# Allegro board HI3516ADMEB_VER_C_PCB.brd (continued)
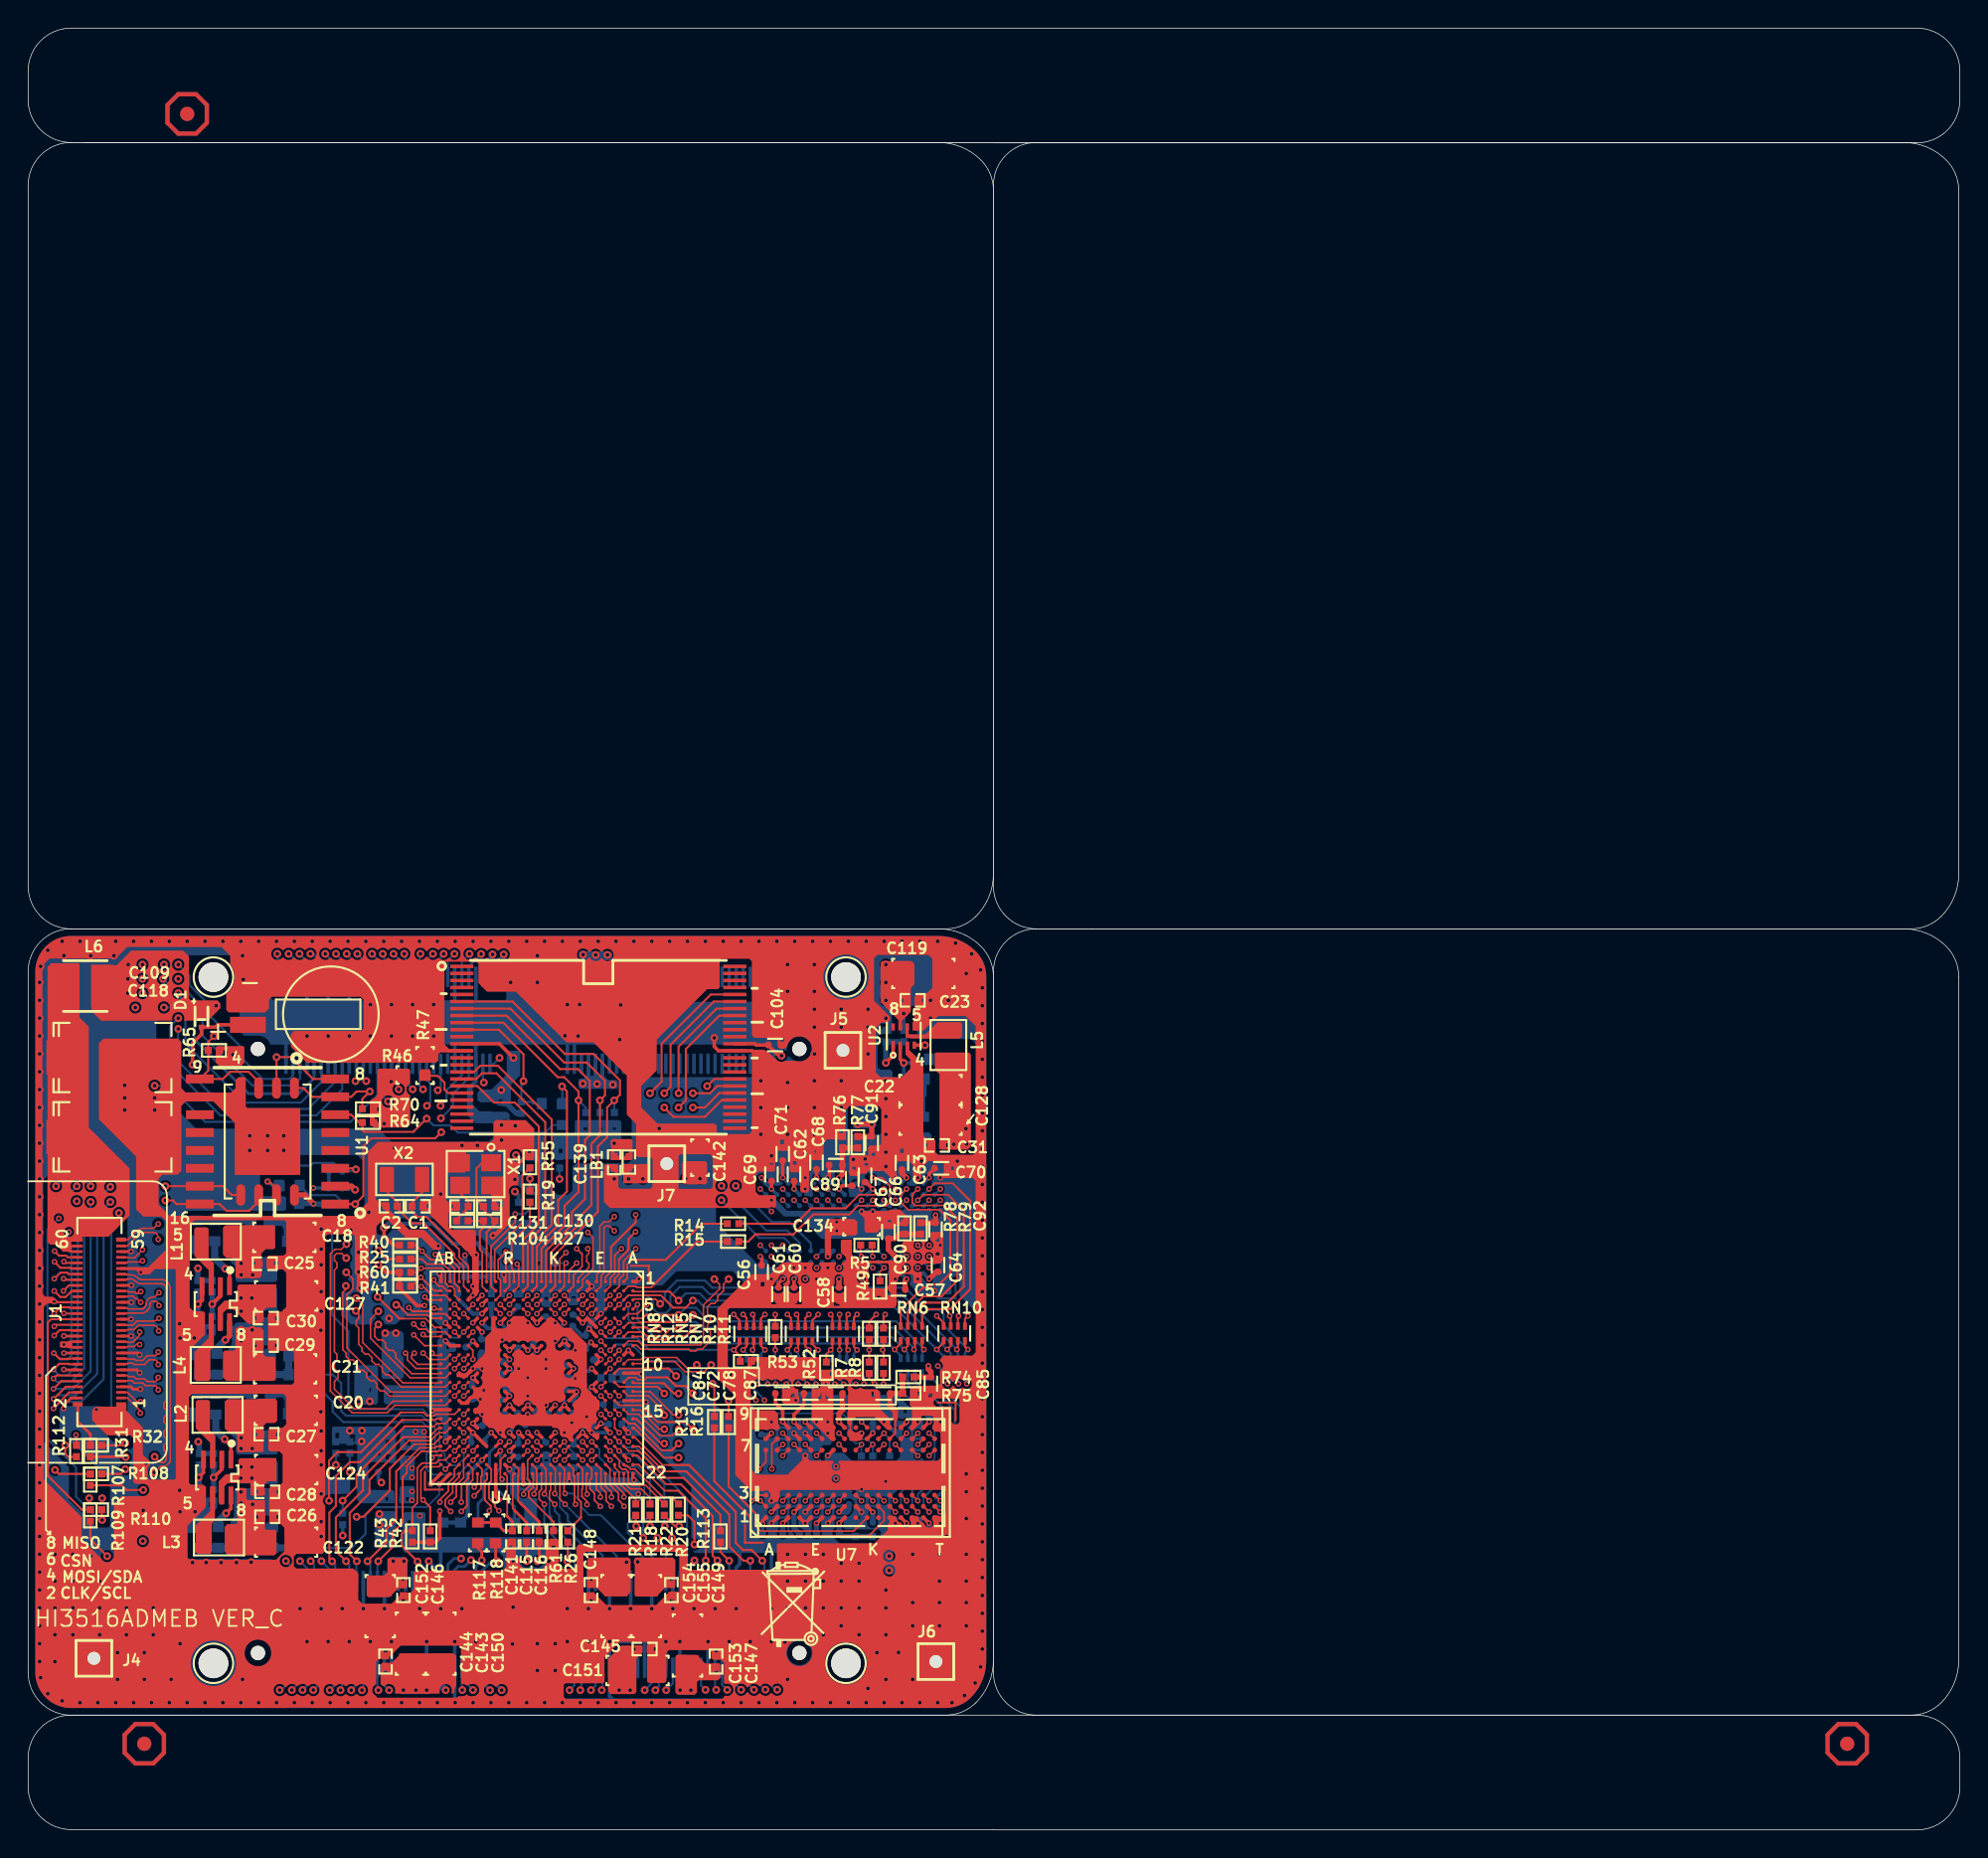
[diagram p0: board, top side]
## Copper pours and planes (outline as drawn; the poured copper is in the pictures) (continued)
3V3 on BOTTOM (solid shape): 41.53,62.28 41.53,61.9 41.43,61.8 41.07,61.8 40.92,61.64 40.92,59.97 40.87,59.92 40.74,59.92 40.72,59.94 40.72,61.44 40.69,61.47 40.46,61.47 40.44,61.44 40.44,59.94 40.41,59.92 40.23,59.92 40.23,61.41 40.18,61.47 39.98,61.47 39.93,61.41 39.93,59.94 39.9,59.92 39.75,59.92 39.7,59.97 39.7,61.67 39.45,61.92 39.24,61.92 39.14,62.02 39.14,62.35 39.22,62.43 41.38,62.43
3V3 on BOTTOM (solid shape): 39.93,55.12 39.93,53.62 39.95,53.59 40.16,53.59 40.21,53.64 40.21,55.12 40.26,55.17 40.41,55.17 40.44,55.14 40.44,53.64 40.49,53.59 40.69,53.59 40.72,53.62 40.72,55.14 40.74,55.17 40.89,55.17 40.92,55.14 40.92,53.59 41.22,53.29 41.81,53.29 41.91,53.19 41.91,52.73 41.83,52.65 39.22,52.65 39.12,52.75 39.12,53.31 39.19,53.39 39.5,53.39 39.7,53.59 39.7,55.06 39.8,55.17 39.88,55.17
3V3 on BOTTOM (solid shape): 42.16,50.31 42.16,47.77 42.04,47.65 37.34,47.65 37.21,47.77 37.21,47.9 37.97,47.9 37.97,48.41 37.72,48.41 37.72,47.9 37.21,47.9 37.21,49.3 37.34,49.43 38.73,49.43 38.86,49.55 38.86,49.73 40.79,49.73 40.79,49.76 41.78,49.76 41.78,50.16 41.55,50.16 41.55,49.76 40.79,49.76 40.79,50.14 40.54,50.14 40.54,49.73 39.75,49.73 39.75,50.14 39.47,50.14 39.47,49.73 38.86,49.73 38.86,50.37 38.94,50.44 42.04,50.44
3V3 on BOTTOM (solid shape): 26.14,28.37 26.14,26.31 25.96,26.13 24.33,26.13 24.18,25.98 24.18,24.36 24.38,24.15 25.91,24.15 26.04,24.03 26.04,23.26 25.98,23.21 23.62,23.21 23.44,23.39 25.78,23.39 25.78,23.64 25.4,23.64 25.4,23.39 23.44,23.39 23.39,23.44 23.39,26.31 25.78,26.31 25.78,26.69 25.4,26.69 25.4,26.31 23.39,26.31 23.39,26.44 25.02,26.44 25.02,26.82 24.77,26.82 24.77,26.44 23.39,26.44 23.39,27.28 23.34,27.33 25.78,27.33 25.78,27.71 25.4,27.71 25.4,27.33 23.34,27.33 23.24,27.43 21.69,27.43 21.59,27.53 21.59,27.58 23.24,27.58 23.24,28.09 22.86,28.09 22.86,27.58 21.59,27.58 21.59,27.71 22.1,27.71 22.1,28.22 21.84,28.22 21.84,27.71 21.59,27.71 21.59,28.57 21.68,28.66 25.84,28.66
3V3 on POWER05 (solid shape): outline of 23785 points within 1.27,9.42 67.34,62.76
3V3_1V8_RGMII_IO on TOP (solid shape): 43.66,13 43.66,12.6 43.23,12.16 43.23,9.8 43.08,9.65 41.4,9.65 41.22,9.83 41.22,12.16 41.81,12.75 43.23,12.75 43.23,12.95 43.03,12.95 43.03,12.75 41.81,12.75 42.16,13.1 43.56,13.1
3V3_1V8_RGMII_IO on ART03 (solid shape): outline of 753 points within 40.36,9.62 46,29.26
AVDD11_PLL on BOTTOM (solid shape): 26.7,35.28 26.7,34.18 26.68,34.15 26.65,34.13 26.61,34.1 26.58,34.06 26.55,34.02 26.53,33.98 26.52,33.93 26.52,33.88 26.52,33.83 26.53,33.78 26.55,33.74 26.58,33.7 26.61,33.66 26.65,33.63 26.68,33.61 26.7,33.59 26.7,32.18 26.57,32.05 25.2,32.05 25.12,32.13 25.12,32.28 25.91,32.28 25.91,32.53 25.53,32.53 25.53,32.28 25.12,32.28 25.12,33.02 25.12,33.02 25.12,35.28 25.3,35.46 26.52,35.46
AVDD11_PLL on ART03 (solid shape): outline of 83 points within 25.07,29.18 33.78,36.27
AVDD33_AC on BOTTOM (solid shape): 27.48,24.33 27.48,23.26 27.43,23.21 26.42,23.21 26.39,23.24 26.39,23.39 27.05,23.39 27.05,23.64 26.67,23.64 26.67,23.39 26.39,23.39 26.39,24.33 26.49,24.43 27.38,24.43
AVDD33_AC on POWER04 (solid shape): outline of 491 points within 27.08,23.01 35.48,28.42
AVDD33_USB on BOTTOM (solid shape): 28.3,28.42 28.3,27.07 28.19,26.97 26.49,26.97 26.43,27.04 26.43,27.33 27.18,27.33 27.18,27.71 26.8,27.71 26.8,27.33 26.43,27.33 26.43,28.36 26.62,28.55 28.17,28.55
AVDD33_USB on POWER05 (solid shape): outline of 225 points within 27.18,24.91 33.55,28.62
AVDD33_VDAC on BOTTOM (solid shape): 27.48,26.52 27.48,24.94 27.38,24.84 26.49,24.84 26.42,24.91 26.42,26.21 27.03,26.21 27.03,26.46 26.77,26.46 26.77,26.21 26.42,26.21 26.42,26.54 26.47,26.59 27.41,26.59
AVDD33_VDAC on POWER05 (solid shape): outline of 654 points within 27.18,22.79 35.53,28.62
AVDD_DDRPLL on TOP (solid shape): 44.04,47.27 44.04,46.02 43.97,45.95 42.34,45.95 42.29,46 42.29,46.63 43.05,46.63 43.05,47.01 42.8,47.01 42.8,46.63 42.29,46.63 42.29,47.22 42.39,47.32 43.99,47.32
AVDD_DDRPLL on POWER04 (solid shape): outline of 1710 points within 37.62,30.97 44.73,46.99
DVDD3318_SENSOR on TOP (solid shape): 26.95,19.2 26.95,17.29 26.82,17.17 26.31,17.17 25.68,16.53 24.18,16.53 24.05,16.66 24.05,17.6 26.75,17.6 26.75,17.85 26.57,17.85 26.57,17.6 24.05,17.6 24.05,17.93 24.21,18.08 25.3,18.08 25.53,18.31 25.53,19.23 25.63,19.33 26.82,19.33
DVDD3318_SENSOR on BOTTOM (solid shape): 26.95,19.28 26.95,17.04 26.9,16.99 26.77,16.99 26.72,17.04 26.72,18.62 26.7,18.64 26.44,18.64 26.42,18.62 26.42,17.04 26.37,16.99 26.24,16.99 26.19,17.04 26.19,18.56 26.11,18.64 25.81,18.64 25.68,18.77 25.68,19.33 25.76,19.4 26.82,19.4
DVDD3318_SENSOR on ART06 (solid shape): outline of 666 points within 25.53,18.62 33.22,35.81
GND on TOP (solid shape): 15.37,55.62 15.37,54.51 15.16,54.3 13.56,54.3 13.34,54.53 13.34,54.96 14.15,54.96 14.15,55.39 13.69,55.39 13.69,54.96 13.34,54.96 13.34,55.6 13.44,55.7 15.29,55.7
GND on TOP (solid shape): 62.61,43.46 62.61,43.08 62.48,42.95 61.72,42.95 61.47,42.69 60.58,42.69 60.32,42.44 59.56,42.44 59.44,42.57 59.44,43.08 61.34,43.08 61.34,43.2 62.23,43.2 62.23,43.58 61.85,43.58 61.85,43.2 61.34,43.2 61.34,43.33 61.09,43.33 61.09,43.08 59.44,43.08 59.44,43.46 59.05,43.84 59.05,43.9 59.12,43.98 61.15,43.98 61.26,44.09 61.98,44.09
GND on TOP (solid shape): outline of 1258 points within 30.44,27.56 40.6,36.52
GND on TOP (solid shape): outline of 5266 points within 0.51,8.66 68.1,63.52
GND on BOTTOM (solid shape): 21.08,42.8 21.08,33.8 20.83,33.55 20.57,33.55 20.27,33.25 19.66,33.25 19.53,33.37 19.53,34.36 19.08,34.82 19.08,40.92 19.33,41.17 19.33,42.24 19.38,42.29 20.17,42.29 20.54,42.66 20.54,42.81 20.65,42.92 20.95,42.92
GND on BOTTOM (solid shape): 30.06,34.65 30.28,34.65 30.43,34.5 30.43,34.08 30.3,33.96 29.97,33.96 29.9,33.88 29.9,27.48 29.82,27.4 29.57,27.4 29.49,27.48 29.49,28.85 28.09,30.25 25.4,30.25 25.27,30.38 25.27,30.76 25.91,30.76 25.91,31.14 25.53,31.14 25.53,30.76 25.27,30.76 25.27,31.42 25.45,31.6 28.78,31.6 29.08,31.9 29.08,34.19 30.1,34.19 30.1,34.44 29.72,34.44 29.72,34.19 29.08,34.19 29.08,34.79 29.21,34.92 29.78,34.92
GND on BOTTOM (solid shape): 21.13,29.84 21.13,25.37 21.51,24.99 22.76,24.99 22.89,24.86 22.89,24 22.76,23.87 21.41,23.87 21.36,23.82 20.97,23.51 21.13,23.04 21.13,20.75 21.01,20.62 20.57,20.62 20.37,20.83 19.68,20.83 19.61,20.9 19.61,21.99 19.08,22.53 19.08,28.39 19.46,28.78 19.46,29.89 19.58,30.02 20.95,30.02
GND on BOTTOM (solid shape): 37.13,26.77 37.13,26.13 37.39,25.88 40.64,25.88 41.48,25.04 43.21,25.04 43.54,24.71 43.54,23.85 43.38,23.7 43,23.7 42.67,24.03 40.16,24.03 39.67,24.51 36.25,24.51 35.71,25.04 35.71,25.29 39.19,25.29 39.19,25.66 38.81,25.66 38.81,25.29 35.71,25.29 35.71,25.4 36.42,25.4 36.42,25.63 36.04,25.63 36.04,25.4 35.71,25.4 35.71,25.83 35.81,25.93 36.42,25.93 36.53,26.03 36.53,26.18 36.96,26.18 36.96,26.57 36.7,26.57 36.7,26.18 36.53,26.18 36.53,26.82 36.6,26.9 37.01,26.9
GND on BOTTOM (solid shape): outline of 8617 points within 0.51,8.66 68.1,63.52
GND on GND02 (solid shape): outline of 30524 points within 0.51,8.66 68.1,63.52
GND on ART03 (solid shape): outline of 5855 points within 0.51,8.66 68.1,63.52
GND on POWER04 (solid shape): outline of 20937 points within 0.51,8.66 68.1,63.52
GND on ART06 (solid shape): outline of 5545 points within 0.51,8.66 68.1,63.52
GND on GND07 (solid shape): outline of 30525 points within 0.51,8.66 68.1,63.52
AC_VREF on BOTTOM (solid shape): outline of 136 points within 33.99,21.44 36.17,25.85
SDIO0_VOUT on TOP (solid shape): 46,19.17 46,17.35 45.85,17.19 45.26,17.19 44.65,16.58 43.23,16.58 43.1,16.71 43.1,17.6 45.82,17.6 45.82,17.83 45.62,17.83 45.62,17.6 43.1,17.6 43.1,19.28 43.18,19.35 45.82,19.35
SDIO1_VOUT on TOP (solid shape): 42.82,19.2 42.82,16.91 42.67,16.76 42.67,16.74 42.55,16.61 41,16.61 40.41,17.19 39.8,17.19 39.73,17.27 39.73,17.55 40.11,17.55 40.11,17.85 39.9,17.85 39.9,17.55 39.73,17.55 39.73,19.17 39.9,19.35 42.67,19.35
$5N28 on TOP (solid shape): 66.37,57.3 66.37,56.39 66.22,56.23 62.69,56.23 62.67,56.26 62.43,56.26 62.36,56.33 62.36,56.79 62.36,56.79 62.36,57.14 62.37,57.16 62.37,57.26 62.41,57.3 62.53,57.3 62.59,57.25 62.59,56.59 62.64,56.54 62.89,56.54 62.89,56.54 63.73,56.54 63.78,56.54 64.64,57.4 66.27,57.4
$5N141 on TOP (solid shape): 12.83,42.69 12.83,40.66 13.21,40.28 13.21,38.12 13.08,38 12.95,38 12.83,38.12 12.83,39.77 11.81,40.79 11.81,42.69 11.94,42.82 12.7,42.82
$5N147 on TOP (solid shape): 13.21,36.6 13.21,34.31 12.95,34.06 12.95,32.03 12.83,31.9 11.94,31.9 11.81,32.03 11.81,33.93 12.83,34.95 12.83,36.6 12.95,36.73 13.08,36.73
$5N162 on TOP (solid shape): 13.28,24.33 13.28,21.99 13.06,21.77 13.06,19.73 12.93,19.61 12.04,19.61 11.91,19.73 11.91,21.64 12.93,22.65 12.93,24.31 13.06,24.43 13.18,24.43
$5N175 on TOP (solid shape): 12.93,30.43 12.93,28.39 13.31,28.01 13.31,25.85 13.18,25.73 13.06,25.73 12.93,25.85 12.93,27.51 11.91,28.52 11.91,30.43 12.04,30.55 12.8,30.55
$12N53 on TOP (solid shape): outline of 511 points within 1.37,41.02 7.21,61.59

Small or netless copper shapes (teardrops, artwork), in the pictures only: 1 on TOP

## Text on the board
BOTTOM: HI3516ADMEB VER.C ARTWORK BOTTOM
Ref Des/Silkscreen Bottom: 1.35V | 3B1W | 4B4W | 1.5V | HI3516ADMEB VER.C SILKSCREEN BOTTOM
User.Comments: HI3516ADMEB VER.C SOLDMASK TOP | HI3516ADMEB VER.C SOLDMASK BOTTOM
TOP: HI3516ADMEB VER.C ARTWORK TOP
Ref Des/Silkscreen Top: 8 | 6 | 4 | 2 | CSN | CLK/SCL | MISO | MOSI/SDA | HI3516ADMEB VER_C | HI3516ADMEB VER.C SILKSCREEN TOP
GND02: HI3516ADMEB VER.C ARTWORK LAYER02
ART03: HI3516ADMEB VER.C ARTWORK LAYER03
POWER04: HI3516ADMEB VER.C ARTWORK LAYER04
POWER05: HI3516ADMEB VER.C ARTWORK LAYER05
ART06: HI3516ADMEB VER.C ARTWORK LAYER06
GND07: HI3516ADMEB VER.C ARTWORK LAYER07
DIMENSION: BGA | 2,7 | 2 | HI3516ADMEB VER.C DRILL CHART | 1--Gerber TOP | 2--GROUND PLANE02 | 3--Gerber LAYER03 | 4--GROUND PLANE04 | 5--POWER PLANE05 | 6--Gerber LAYER06 | 7--GROUND PLANE07 | 8--Gerber BOTTOM | V-CUT
DISPLAY_BOTTOM: HI3516ADMEB VER.C PASTEMASK BOTTOM
DISPLAY_TOP: HI3516ADMEB VER.C PASTEMASK TOP
BODY_CENTER: FIGURE | SIZE | 8.0 | 10.0 | 36.0 | 40.0 | 83.0 | DRILL CHART: TOP to BOTTOM | ALL UNITS ARE IN MILS | PLATED | NON-PLATED | QTY | 576 | 711 | 4
